# Altium PCB Archimajor.PcbDoc (part 8 of 13)
Units mil, origin at the board's own origin, x right, y up, seen from the top; angles counter-clockwise.
Board outline 7480.32 x 5511.81 mil, 6 copper layers (Top Layer, Top GND, Power Plane, Mid1, Bot GND, Bottom Layer), stack 69.913 mil thick; 1038 components, 682 nets, 3229 pads, 2870 vias.
Unrouted connection lines stored in the file: 97.
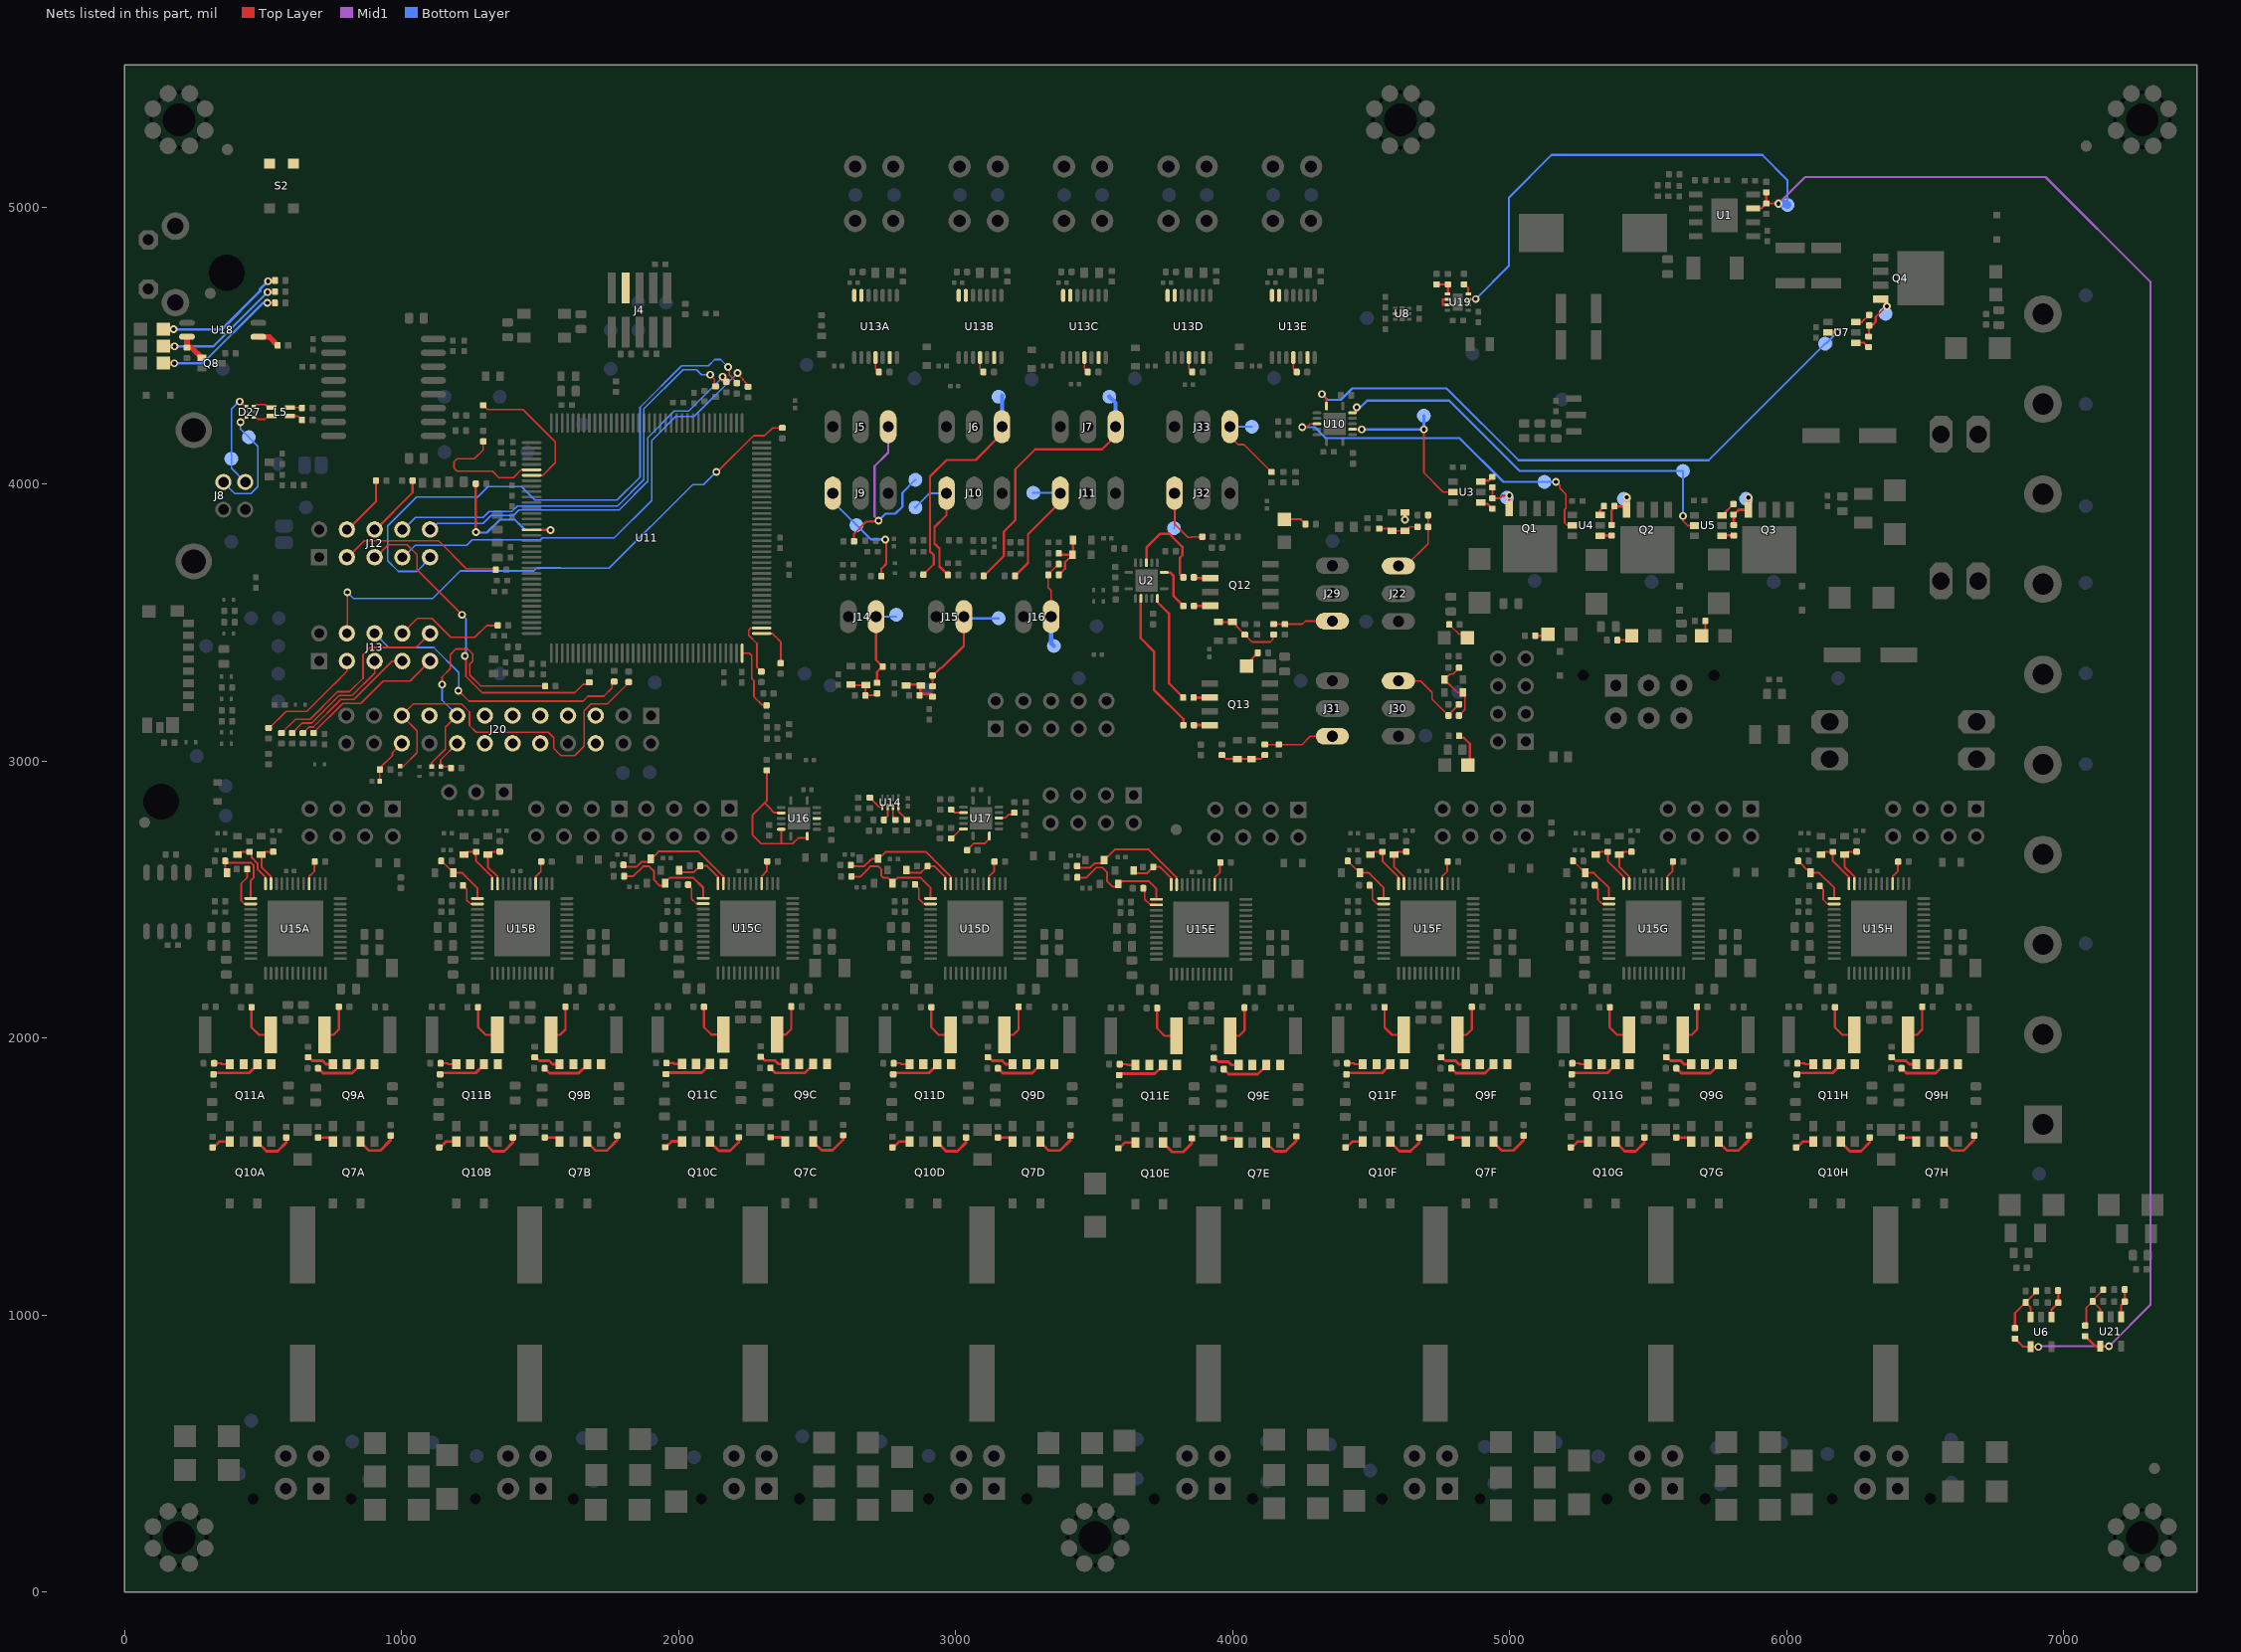
[diagram p12: the nets of this part, all layers, seen from the top]

## Via types
v1: diameter 28, hole 15, Top Layer to Bottom Layer, tented both sides, 2412 vias
v2: diameter 22, hole 10, Top Layer to Bottom Layer, 302 vias
v3: diameter 28, hole 15, Top Layer to Bottom Layer, 113 vias
v4: diameter 29, hole 15, Top Layer to Bottom Layer, tented both sides, 16 vias
v5: diameter 30, hole 15, Top Layer to Bottom Layer, 16 vias
v6: diameter 22, hole 10, Top Layer to Bottom Layer, tented both sides, 11 vias

## Nets (pads, with @x,y where several pads share a name; then routed paths per layer and width w, separated by ;. In a path a pad name is that pad's centre, name@x,y a point inside that pad or via, vN(x,y) a via of type N, cw(c..) or ccw(c..) an arc to the next point about the centre after c; other vN are vias at no path point) (continued)
NetD12A_A: D12A.A R18A.1 U15A.24 | length 185.7
  Top Layer w7: D12A.A@407.97,2661.43 418.6,2672.06 R18A.1@451.28,2672.06 ; R18A.1@451.28,2667.72 456.13,2667.72 459.22,2664.63 459.22,2651 480.53,2629.69 480.53,2609.54 509.15,2580.92 U15A.24@509.15,2556.51
NetD12B_A: D12B.A R18B.1 U15B.24 | length 182.9
  Top Layer w7: D12B.A@1225.88,2661.43 1236.51,2672.06 R18B.1@1269.19,2672.06 ; R18B.1@1269.19,2667.72 1269.19,2638.8 1327.06,2580.92 U15B.24@1327.06,2556.51
NetD12C_A: D12C.A R18C.1 U15C.24 | length 193.1
  Top Layer w7: D12C.A@2001.29,2600.76 2004.25,2597.81 2054.64,2597.81 2069.76,2612.93 2070.28,2612.93 2078.26,2620.92 R18C.1@2078.26,2621.43 2102.78,2621.43 2142.33,2581.88 U15C.24@2142.33,2557.47
NetD12D_A: D12D.A R18D.1 U15D.24 | length 193.1
  Top Layer w7: D12D.A@2821.85,2599.8 2824.8,2596.85 2875.2,2596.85 2890.32,2611.97 2890.83,2611.97 2898.82,2619.96 R18D.1@2898.82,2620.47 2923.34,2620.47 2962.89,2580.92 U15D.24@2962.89,2556.51
NetD12E_A: D12E.A R18E.1 U15E.24 | length 193.1
  Top Layer w7: D12E.A@3637.12,2596.83 3640.07,2593.87 3690.47,2593.87 3705.59,2609 3706.1,2609 3714.09,2616.98 R18E.1@3714.09,2617.5 3738.61,2617.5 3778.16,2577.94 U15E.24@3778.16,2553.53
NetD12F_A: D12F.A R18F.1 U15F.24 | length 182.9
  Top Layer w7: D12F.A@4497.54,2661.43 4508.16,2672.06 R18F.1@4540.84,2672.06 ; R18F.1@4540.84,2667.72 4540.84,2638.8 4598.72,2580.92 U15F.24@4598.72,2556.51
NetD12G_A: D12G.A R18G.1 U15G.24 | length 182.9
  Top Layer w7: D12G.A@5310.54,2661.43 5321.16,2672.06 R18G.1@5353.84,2672.06 ; R18G.1@5353.84,2667.72 5353.84,2638.8 5411.72,2580.92 U15G.24@5411.72,2556.51
NetD12H_A: D12H.A R18H.1 U15H.24 | length 182.9
  Top Layer w7: D12H.A@6123.54,2661.43 6134.16,2672.06 R18H.1@6166.84,2672.06 ; R18H.1@6166.84,2667.72 6166.84,2638.8 6224.72,2580.92 U15H.24@6224.72,2556.51
NetD16_A: D16.A R6.1 | length 48.1
  Top Layer w8: R6.1@5092.44,3452.14 5133.58,3452.14 D16.A@5138.5,3457.06
NetD17_A: D17.A R7.1 | length 58.8
  Top Layer w8: R7.1@5388.7,3436.39 5425.17,3436.39 D17.A@5440.95,3452.17
NetD18_A: D18.A R8.1 | length 58.3
  Top Layer w8: D18.A@5693.62,3452.17 5706.09,3464.63 R8.1@5706.09,3505.29
NetD19A_A: D19A.A R17A.2 U15A.23 | length 167.2
  Top Layer w7: U15A.23@528.83,2556.51 528.83,2582.47 495.53,2615.77 495.53,2659.5 D19A.A@493.6,2661.43 504.23,2672.06 R17A.2@536.91,2672.06
NetD19B_A: D19B.A R17B.2 U15B.23 | length 167.2
  Top Layer w7: U15B.23@1346.75,2556.51 1346.75,2582.47 1311.51,2617.7 D19B.A@1311.51,2661.43 1322.14,2672.06 R17B.2@1354.82,2672.06
NetD19C_A: D19C.A R17C.2 U15C.23 | length 449.1
  Top Layer w7: R17C.2@1803.76,2624.38 1809.66,2618.48 1849.48,2618.48 1866.22,2635.21 1895.54,2635.21 1903.85,2643.52 D19C.A@1903.85,2647.02 ; D19C.A@1902.87,2648.01 1927.96,2673.1 2072.35,2673.1 2162.02,2583.43 U15C.23@2162.02,2557.47
NetD19D_A: D19D.A R17D.2 U15D.23 | length 450.3
  Top Layer w7: R17D.2@2624.31,2623.43 2627.55,2620.19 2670.51,2620.19 2691.2,2640.88 2693.55,2640.88 2699.37,2646.69 2720.28,2646.69 2724.41,2642.56 D19D.A@2724.41,2646.06 ; D19D.A@2723.42,2647.05 2748.52,2672.14 2892.9,2672.14 2982.57,2582.47 U15D.23@2982.57,2556.51
NetD19E_A: D19E.A R17E.2 U15E.23 | length 458.2
  Top Layer w7: R17E.2@3439.59,2620.45 3445.49,2614.54 3485.31,2614.54 3502.04,2631.27 3531.37,2631.27 3539.68,2639.59 D19E.A@3539.68,2643.09 ; D19E.A@3538.7,2644.07 3574.78,2680.16 3697.18,2680.16 3797.85,2579.49 U15E.23@3797.85,2553.53
NetD19F_A: D19F.A R17F.2 U15F.23 | length 167.2
  Top Layer w7: U15F.23@4618.4,2556.51 4618.4,2582.47 4583.16,2617.7 D19F.A@4583.16,2661.43 4593.79,2672.06 R17F.2@4626.47,2672.06
NetD19G_A: D19G.A R17G.2 U15G.23 | length 167.2
  Top Layer w7: U15G.23@5431.4,2556.51 5431.4,2582.47 5396.16,2617.7 D19G.A@5396.16,2661.43 5406.79,2672.06 R17G.2@5439.47,2672.06
NetD19H_A: D19H.A R17H.2 U15H.23 | length 167.2
  Top Layer w7: U15H.23@6244.4,2556.51 6244.4,2582.47 6209.16,2617.7 D19H.A@6209.16,2661.43 6219.79,2672.06 R17H.2@6252.47,2672.06
NetD20A_A: D20A.A R16A.1 U15A.25 | length 275.8
  Top Layer w7: R16A.1@363.58,2639.19 R16A.1@363.58,2632.91 ; D20A.A@369.87,2595.88 363.58,2602.16 R16A.1@363.58,2632.91 ; U15A.25@456,2503.36 456,2568.32 465.53,2577.85 465.53,2623.48 456.22,2632.79 363.7,2632.79 R16A.1@363.58,2632.91
NetD20B_A: D20B.A R16B.1 U15B.25 | length 211.3
  Top Layer w6: R16B.1@1143.7,2639.19 1143.7,2638.95 1152.46,2630.19 1153.47,2630.19 1175.03,2608.63 1178.97,2608.63 1187.78,2599.82 D20B.A@1187.78,2595.88
  Top Layer w7: D20B.A@1187.78,2595.88 1219.58,2595.88 1273.91,2541.55 U15B.25@1273.91,2503.36
NetD20C_A: D20C.A R16C.1 U15C.25 | length 403.6
  Top Layer w7: R16C.1@1812.53,2583.06 1835.96,2583.06 1872.08,2619.18 1894.29,2619.18 1910.65,2602.82 ; 1910.74,2602.73 1910.65,2602.82 ; D20C.A@1952.08,2549.58 1932.4,2549.58 1910.65,2571.33 1910.65,2602.82 ; D20C.A@1952.08,2556.47 D20C.A@1952.08,2558.44 1952.08,2561.45 1968.42,2577.8 2053.9,2577.8 2089.18,2542.51 U15C.25@2089.18,2504.32
NetD20D_A: D20D.A R16D.1 U15D.25 | length 396
  Top Layer w7: R16D.1@2633.09,2582.1 2656.51,2582.1 2678.27,2603.87 2678.27,2604.95 2693.21,2619.89 2720.62,2619.89 2731.53,2608.98 2731.53,2585.83 2738.27,2579.09 2753.63,2579.09 2774.61,2558.11 2774.61,2561.14 2792.24,2578.78 2872.51,2578.78 2909.74,2541.55 U15D.25@2909.74,2503.36
NetD20E_A: D20E.A R16E.1 U15E.25 | length 401.3
  Top Layer w7: R16E.1@3448.36,2579.13 3471.78,2579.13 3507.9,2615.25 3530.12,2615.25 3546.48,2598.89 ; 3546.57,2598.79 3546.48,2598.89 ; D20E.A@3587.91,2545.64 3568.22,2545.64 3546.48,2567.39 3546.48,2598.89 ; D20E.A@3589.88,2543.68 3589.88,2553.98 3601.22,2565.33 3698.25,2565.33 3725.01,2538.57 U15E.25@3725.01,2500.39
NetD20F_A: D20F.A R16F.1 U15F.25 | length 211.3
  Top Layer w6: R16F.1@4415.35,2639.19 4415.35,2638.95 4424.11,2630.19 4424.35,2630.19 4445.91,2608.63 4450.62,2608.63 4459.43,2599.82 D20F.A@4459.43,2595.88
  Top Layer w7: D20F.A@4459.43,2595.88 4491.24,2595.88 4545.57,2541.55 U15F.25@4545.57,2503.36
NetD20G_A: D20G.A R16G.1 U15G.25 | length 209
  Top Layer w6: R16G.1@5228.35,2639.19 5228.35,2638.95 5237.11,2630.19 5238.13,2630.19 D20G.A@5272.43,2595.88
  Top Layer w7: D20G.A@5272.43,2595.88 5304.24,2595.88 5358.57,2541.55 U15G.25@5358.57,2503.36
NetD20H_A: D20H.A R16H.1 U15H.25 | length 211.5
  Top Layer w7: R16H.1@6041.35,2639.19 6041.35,2638.68 6049.34,2630.69 6049.85,2630.69 6072.41,2608.13 6077.12,2608.13 6085.43,2599.82 D20H.A@6085.43,2595.88 6117.24,2595.88 6171.57,2541.55 U15H.25@6171.57,2503.36
NetD23_A: D23.A R33.1 | length 480.8
  Top Layer w10: v1(517.93,4731.86) 540.87,4731.86 R33.1@543.43,4734.43
  Top Layer w20: D23.A@141.01,4558.29 141.26,4558.54 141.68,4558.12 v1(177.64,4558.12)
  Bottom Layer w10: v1(177.64,4558.12) 178.45,4557.3 350.64,4557.3 489.49,4696.14 489.49,4703.6 517.75,4731.86 v1(517.93,4731.86)
NetD24_A: D24.A R34.2 | length 485
  Top Layer w8: v1(516.49,4692.42) 541.05,4692.42 R34.2@543.16,4694.53
  Top Layer w20: D24.A@141.01,4497.29 141.66,4496.64 v1(180.39,4496.64)
  Bottom Layer w8: v1@179.94,4497.17 180.34,4496.76 320.82,4496.76 v1(516.49,4692.42)
NetD25_A: D25.A R36.2 | length 493
  Top Layer w8: D25.A@141.01,4436.29 D25.A@141.49,4435.81 ; v1(515.97,4654.01) 542.6,4654.01 R36.2@543.14,4653.47
  Top Layer w20: D25.A@141.49,4435.81 v1(179.99,4435.81)
  Bottom Layer w8: v1(179.99,4435.81) 282.51,4435.81 500.71,4654.02 v1(515.97,4654.01)
NetD27_1: D27.1 J8.2 TP5.1 | length 356
  Top Layer w6: v1@415.24,4296.58 418.55,4296.58 435.1,4280.02 D27.1@439.71,4280.02
  Bottom Layer w6: v1@414.76,4298.58 386,4269.82 386,4056.74 J8.2@436,4006.74 J8.2@436.21,4006.74
  other v1: 416,4297.34
NetD27_3: D27.3 J8.3 TP6.1 | length 439.2
  Top Layer w6: v1(419,4223.34) 423,4227.34 426.4,4227.34 D27.3@439.71,4240.65
  Bottom Layer w6: J8.3@357,4006.74 398.21,3965.53 457,3965.53 482,3990.53 482,4135.53 TP6.1@449,4168.53 419,4198.53 v1(419,4223.34)
NetD27_4: D27.4 L5.2 | length 71
  Top Layer w6: D27.4@466.82,4240.1 474.76,4240.1 ; 474.58,4239.92 474.76,4240.1 ; L5.2@530.54,4244.59 518.25,4244.59 507.5,4233.84 481.02,4233.84 474.76,4240.1
NetD27_6: D27.6 L5.3 | length 71.5
  Top Layer w6: D27.6@466.27,4280.02 471.08,4280.02 477.89,4286.84 508.48,4286.84 519.24,4276.09 L5.3@530.54,4276.09
NetD28_A: D28.A D29.K R44.2 R50.1 | length 150.7
  Top Layer w8: D28.A@2624.52,3281.19 2632.48,3273.23 D29.K@2668.36,3273.23 ; D29.K@2676.52,3273.23 D29.K@2674.42,3273.23 ; R50.1@2716.52,3243.75 2710,3237.23 2674.42,3237.23 D29.K@2674.42,3273.23 ; D29.K@2668.36,3273.23 2674.42,3279.29 D29.K@2674.42,3273.23 ; D29.K@2668.36,3273.23 D29.K@2674.42,3273.23
NetD36_A: D36.A D37.K R81.2 R87.1 | length 120.2
  Top Layer w8: D36.A@2834.52,3278.53 2836.88,3276.17 2872.79,3276.17 2872.79,3241.41 2909.34,3241.41 R87.1@2916.1,3234.65 ; R87.1@2913.75,3231.56 R87.1@2913.83,3231.49
NetD38_A: D38.A D39.K R91.2 R92.1 | length 199
  Top Layer w8: R92.1@3372.52,3671.5 3395.32,3694.31 3395.32,3717.14 D39.K@3422.52,3744.34 ; R91.2@3372.62,3749.26 3377.54,3744.34 D39.K@3422.52,3744.34 ; D38.A@3423.5,3797.49 3423.5,3745.32 D39.K@3422.52,3744.34
NetD50_A: D50.A D52.K R174.2 R175.1 | length 251.9
  Top Layer w6: D50.A@3948.54,3501.35 D52.K@3999.72,3501.35 4003.66,3501.35 4012.47,3492.54 4012.47,3487.18 4035.01,3464.64 4035.01,3464.39 4043.77,3455.64 R174.2@4044.01,3455.64 4044.25,3455.64 4053.01,3446.88 4053.01,3446.64 4070.14,3429.5 4135.55,3429.5 4145.44,3439.4 4145.44,3452.98 R175.1@4148.34,3455.88
NetD51_A: D51.A D53.K R176.2 R177.1 | length 149.7
  Top Layer w6: R176.2@4529.25,3838.65 4566.95,3838.65 D51.A@4575.51,3830.09 D53.K@4621.77,3830.09 4625.7,3830.09 4634.51,3838.9 4634.51,3841.34 4638.03,3844.86 R177.1@4667.83,3844.86
NetD53_A: D53.A | length 26.6
  Top Layer w10: v1(4621.77,3870.45) D53.A@4621.77,3897.02
NetD54_A: D54.A D56.K R186.2 R187.1 | length 166.8
  Top Layer w6: R186.2@3961.44,3021.26 3961.68,3021.26 3970.44,3012.51 3970.44,3012.26 3975.44,3007.26 D56.K@4016.86,3007.26 D54.A@4068.14,3007.26 4102.18,3007.26 4108.14,3013.22 4108.14,3013.46 4116.03,3021.36 R187.1@4116.27,3021.36
NetD55_A: D55.A D57.K R188.2 R189.1 | length 257.9
  Top Layer w6: R189.1@4817,3163.76 4817,3164 4825.75,3172.76 4826,3172.76 4839,3185.76 4839,3239.83 D55.A@4831.41,3247.42 4810.74,3247.42 4777.23,3280.93 4773.29,3280.93 4764.48,3289.74 D57.K@4764.48,3293.68 4764.48,3297.61 4773.29,3306.42 4777.23,3306.42 4784.79,3313.98 4795.09,3313.98 4817.09,3335.98 R188.2@4817.09,3336.98
NetJ4_7: J4.7
NetJ5_1: J5.1 R19.2 TP25.1 | length 738.3
  Top Layer w8: R19.2@2629.88,3788.69 R19.2@2633.88,3792.69 2633.58,3792.99 2633.58,3820.03 2677.07,3863.53 2690.14,3863.53 2690.2,3863.58 2691.34,3863.58 2692.63,3864.87 2719.42,3864.87 v3(2722.1,3867.55)
  Mid1 w8: v3(2722.1,3867.55) 2722.1,3868.05 2707.92,3882.23 2707.92,4063.87 2757,4112.95 J5.1@2757,4206.53
  Bottom Layer w8: v3(2722.1,3867.55) 2722.1,3875.7 2726.18,3871.62 2746.68,3892.13 2782.48,3892.13 2808.07,3917.72 2808.07,3968.08 TP25.1@2855,4015.01 ; J5.1@2756.89,4206.64 J5.1@2757,4206.53
NetJ6_1: J6.1 R72.2 TP80.1 | length 836.5
  Top Layer w8: R72.2@2883.76,3672.67 2920.98,3709.89 2920.98,3713.95 2920.98,3743.48 2908.05,3756.41 2908.05,4027.12 2967.7,4086.76 3073.02,4086.76 3167.5,4181.25 J6.1@3167.5,4206.53
  Bottom Layer w15: J6.1@3167.5,4206.53 3168.31,4207.33 TP80.1@3168.31,4318.94
NetJ7_1: J7.1 R76.2 TP130.1 | length 994.5
  Top Layer w8: R76.2@3103.21,3668.98 3140.39,3706.16 3174.49,3740.25 3174.49,3828 3215.83,3869.34 ; 3216.32,3869.83 3215.83,3869.34 ; J7.1@3578,4206.53 3578,4173.87 3529.1,4124.97 3287.4,4124.97 3215.83,4053.39 3215.83,3869.34
  Bottom Layer w15: TP130.1@3555,4315.01 3577.76,4292.25 3577.76,4206.77 J7.1@3578,4206.53
NetJ9_1: J9.1 R23.2 TP67.1 | length 416.4
  Top Layer w8: R23.2@2737.18,3669.8 2732.3,3674.68 2732.3,3693.77 2750.07,3711.54 2750.07,3789.87 2745.72,3794.22 v3(2745.72,3799.63)
  Bottom Layer w8: J9.1@2557,3966.53 2557,3936.53 2693.9,3799.63 v3(2745.72,3799.63)
NetJ10_1: J10.1 R74.2 TP81.1 | length 466.9
  Top Layer w8: J10.1@2967.5,3966.53 2967.5,3887.84 2924.05,3844.39 2924.05,3784.79 2941.65,3767.19 2941.65,3754.31 2941.65,3702.27 R74.2@2972.42,3671.5
  Bottom Layer w8: TP81.1@2855,3915.01 2906.52,3966.53 J10.1@2967.5,3966.53
NetJ11_1: J11.1 R79.2 TP131.1 | length 464.3
  Top Layer w8: R79.2@3214.42,3668.01 3252.09,3705.68 3261.1,3714.69 3261.1,3806.11 3261.4,3806.4 3261.4,3818.45 3378,3935.06 J11.1@3378,3966.53
  Bottom Layer w8: TP131.1@3280.51,3967.91 3376.61,3967.91 J11.1@3377.95,3966.57
  Bottom Layer w15: J11.1@3377.95,3966.57 J11.1@3378,3966.53
NetJ12_3: J12.3 R137.1 | length 604.6
  Top Layer w6: J12.3@803,3731.53 866.01,3794.54 1133.99,3794.54 1234,3694.53 R137.1@1340.1,3694.53
NetJ12_4: J12.4 R136.2 | length 223.5
  Top Layer w8: J12.4@803,3831.53 908,3936.53 R136.2@908,4011.53
NetJ12_5: J12.5 R135.1 | length 1189.7
  Top Layer w6: J12.5@903,3731.53 952.01,3780.54 1020.47,3780.54 1055.52,3745.49 1055.52,3691.01 v1(1219,3527.53) ; v1@1232.71,3376.62 1232.71,3304.22 1260.4,3276.53 1290.87,3246.06 1625.19,3246.06 1655.66,3276.53 ; 1658.35,3276.53 1655.66,3276.53 ; R135.1@1678.03,3283.71 1670.85,3276.53 1655.66,3276.53
  Bottom Layer w6: v1(1219,3527.53) 1232.76,3513.77 1232.71,3513.72 v1@1232.71,3376.62
  other v1: 1228.71,3378.62
NetJ12_6: J12.6 R134.2 | length 236.7
  Top Layer w8: J12.6@903,3831.53 1040,3968.53 R134.2@1040,4011.53
NetJ12_7: J12.7 R133.1 | length 1675.3
  Top Layer w6: v1@2213,4396.89 2233,4376.89 2233,4375.17 2244,4364.17 2251,4357.17 R133.1@2251,4350.91
  Bottom Layer w6: J12.7@1003,3731.53 1049.48,3778.01 1235,3778.01 1255.52,3798.53 1501.52,3798.53 1508,3805.01 1768,3805.01 1903,3940.01 1903,4156.34 1989.67,4243.01 2056,4243.01 v1@2213,4400.01
  other v1: 2213,4401.01
NetJ12_8: J12.8 R120.2 | length 1571.8
  Top Layer w6: v1(2114,4394.01) 2114,4397.53 2111.74,4395.27 2130,4377.01 2130,4349.53 R120.2@2132,4347.53
  Bottom Layer w6: J12.8@1003,3831.53 1050.48,3879.01 1295,3879.01 1316.63,3900.64 1398.31,3900.64 1418.2,3920.53 1780.2,3920.53 1875,4015.33 1875,4271.01 2016.29,4412.3 2064.92,4412.3 2083.21,4394.01 v1(2114,4394.01)
NetJ12_9: J12.9 R114.1 | length 2077.6
  Top Layer w6: v1(2179,4422.01) 2184,4417.01 2184,4392.65 2186.64,4390.01 2186.98,4390.01 ; 2187.31,4390.68 2196,4381.99 2196,4380.65 2210.32,4366.33 2209,4365.01 2213,4361.01 2210.71,4358.72 R114.1@2206,4363.43
  Bottom Layer w6: J12.9@1103,3731.53 1055.48,3684.01 989,3684.01 950,3723.01 950,3848.01 1054.52,3952.53 1274.52,3952.53 1312.52,3990.53 1433.48,3990.53 1482,3942.01 1778,3942.01 1861,4025.01 1861,4276.81 2010.74,4426.55 2108.19,4426.55 2130.64,4449.01 2131.43,4449.01 2131.61,4449.19 2151.82,4449.19 v1(2179,4422.01)
NetJ12_10: J12.10 R109.2 | length 1407.5
  Top Layer w18: v1(2159,4387.01) 2159,4379.01 R109.2@2173,4365.01
  Bottom Layer w6: J12.10@1103,3831.53 1129.48,3858.01 1294.76,3858.01 1323.39,3886.64 1404.11,3886.64 1424,3906.53 1786,3906.53 1889,4009.53 1889,4167.34 1984.67,4263.01 2037,4263.01 2159,4385.01 v1(2159,4387.01)
NetJ13_3: J13.3 R145.1 | length 403.3
  Top Layer w6: R145.1@522,3117.53 583.48,3179.01 658.4,3179.01 757.4,3278.01 757.48,3278.01 803,3323.53 J13.3@803,3360.53
NetJ13_4: J13.4 R144.2 | length 1983.7
  Top Layer w6: J13.4@803,3460.53 805,3462.53 v1(805,3608.53) ; v1(2136.44,4043.68) 2140.14,4043.68 2270.99,4174.53 2311.37,4174.53 2339.29,4202.44 R144.2@2374.72,4202.44
  Bottom Layer w6: v1(805,3608.53) 827,3586.53 1112.52,3586.53 1212,3686.01 1478,3686.01 1488.66,3696.67 1573.74,3696.67 1574.89,3695.53 1749.27,3695.53 2051.54,3997.81 2090.57,3997.81 v1(2136.44,4043.68)
NetJ13_5: J13.5 R143.1 | length 430.4
  Top Layer w6: R143.1@605.67,3100.43 641.77,3136.53 675.52,3136.53 775,3236.01 821.68,3236.01 903,3317.33 J13.5@903,3360.53
NetJ13_6: J13.6 R142.2 | length 1041.5
  Top Layer w6: v1@1205,3254.53 1243.58,3215.94 1655.12,3215.94 1672.88,3233.71 1730.2,3233.71 1760,3263.51 R142.2@1760,3286.53
  Bottom Layer w6: J13.6@903,3460.53 954,3409.53 1116,3409.53 1207.16,3318.36 1207.16,3256.69 v1@1205,3254.53
  other v1: 1205,3253.53
NetJ13_7: J13.7 R141.1 | length 466.4
  Top Layer w6: R141.1@644.33,3100.43 666.43,3122.53 681.52,3122.53 781,3222.01 827.48,3222.01 966,3360.53 J13.7@1003,3360.53
NetJ13_8: J13.8 R140.2 | length 413.4
  Top Layer w6: J13.8@1003,3460.53 1057,3514.53 1110,3514.53 1178.52,3446.01 1264.54,3446.01 1307.06,3488.53 R140.2@1348,3488.53
NetJ13_9: J13.9 R139.1 | length 535.1
  Top Layer w6: R139.1@688.9,3100.43 R139.1@683,3100.43 683,3102.84 788.17,3208.01 853.48,3208.01 934,3288.53 1031,3288.53 J13.9@1103,3360.53
NetJ13_10: J13.10 R138.2 | length 734.9
  Top Layer w6: R138.2@567,3100.53 617,3150.53 669.52,3150.53 769,3250.01 812.48,3250.01 861,3298.53 861,3383.53 887,3409.53 1052,3409.53 J13.10@1103,3460.53
NetJ14_2: J14.2 R50.2 R62.1 TP106.1 | length 316
  Top Layer w8: J14.2@2713,3506.75 2713,3364.65 2736.16,3341.49 2716.52,3321.85 R50.2@2716.52,3281.65
  Bottom Layer w8: J14.2@2713,3520.53 TP106.1@2786.14,3520.53
NetJ15_2: J15.2 R80.1 R87.2 TP107.1 | length 427.5
  Top Layer w8: R87.2@2913.83,3269.39 2916.83,3272.39 2916.83,3301.64 R80.1@2922.52,3307.33 ; R80.1@2916.61,3308.12 2922.52,3308.12 2922.52,3312.09 2946.02,3335.59 2950.45,3335.59 3030,3415.14 J15.2@3030,3520.53
  Bottom Layer w8: J15.2@3034.48,3515.01 TP107.1@3155,3515.01
NetJ16_2: J16.2 R90.1 R92.2 TP108.1 | length 319.9
  Top Layer w6: J16.2@3345,3520.53 3345,3615.17 3334.62,3625.54 R92.2@3334.62,3671.5 3334.62,3673.17 R90.1@3372.32,3710.87
  Bottom Layer w15: J16.2@3345,3520.53 3345,3425.01 TP108.1@3355,3415.01
NetJ20_5: J20.5
NetJ20_6: J20.6
NetJ20_7: J20.7
NetJ20_9: J20.9
NetJ20_10: J20.10
NetJ20_11: J20.11
NetJ20_12: J20.12
NetJ20_13: J20.13
NetJ20_14: J20.14
NetJ20_15: J20.15 R161.1 RV3.1 | length 943.7
  Top Layer w6: RV3.1@1109.13,2979.77 1109.27,2979.91 1109.27,2993.53 1158.53,3042.78 1158.53,3121.06 J20.15@1201,3163.53 ; v3(1147,3275.53) 1147,3303.93 1175.8,3332.73 1175.8,3384.04 1195.77,3404.01 1239.26,3404.01 1256.97,3386.3 1256.97,3359.89 1246.71,3349.63 1246.71,3310.01 1286.6,3270.13 R161.1@1518.39,3270.13
  Bottom Layer w6: v3(1147,3275.53) 1147,3219.3 J20.15@1202.34,3163.96 ; J20.15@1201.95,3163.57 J20.15@1202.34,3163.96 ; J20.15@1202.97,3163.33 J20.15@1202.34,3163.96
NetJ20_16: J20.16 R160.2 RV4.1 | length 147.7
  Top Layer w6: R160.2@1178.81,2975.06 1178.57,2975.06 1173.87,2979.77 RV4.1@1141.61,2979.77 1141.61,3004.14 J20.16@1201,3063.53 ; R160.2@1186.71,2966.93 R160.2@1186.71,2967.17
NetJ20_17: J20.17
NetJ20_19: J20.19 R159.1 RV2.1 | length 1387.1
  Top Layer w6: RV2.1@994.96,2980.76 1006.77,2980.76 1055.53,3029.51 1055.53,3109 J20.19@1001,3163.53 1042.83,3205.36 1216.87,3205.36 1245.72,3176.51 1245.72,3128 1269.67,3104.06 1529.44,3104.06 1550.13,3083.37 1550.13,3045.32 1575.95,3019.49 1625.69,3019.49 1659.33,3053.13 1659.33,3180.56 1684.13,3205.36 1742.83,3205.36 1819.76,3282.29 R159.1@1819.76,3284.69
NetJ20_20: J20.20 R153.2 RV1.1 | length 191.2
  Top Layer w6: RV1.1@921.14,2928.59 921.83,2929.28 R153.2@921.83,2968.95 921.83,2973.68 967.4,3019.26 967.4,3029.93 J20.20@991.1,3053.63 ; J20.20@987,3063.53 987,3057.73 J20.20@991.1,3053.63 ; J20.20@1001,3049.51 995.22,3049.51 J20.20@991.1,3053.63 ; J20.20@1001,3063.53 J20.20@991.1,3053.63
NetJ22_3: J22.3 R173.1 R177.2 | length 243.7
  Top Layer w6: J22.3@4598.42,3703.74 4625.33,3703.74 4705.73,3784.13 R177.2@4705.73,3844.86 4705.73,3887.08 R173.1@4705.63,3887.18
NetJ29_3: J29.3 R172.1 R175.2 | length 216.5
  Top Layer w6: R175.2@4148.34,3493.78 4188.59,3493.78 R172.1@4188.7,3493.68 4251.89,3493.68 4262.93,3504.72 J29.3@4360.24,3504.72
NetJ30_3: J30.3 R185.1 R189.2 | length 303.4
  Top Layer w6: J30.3@4598.42,3288.98 4678.63,3288.98 4720.19,3247.42 4720.19,3222.66 4770.1,3172.76 4770.34,3172.76 4779.1,3164 R189.2@4779.1,3163.76 4786.23,3170.89 4786.23,3173.35 4808,3195.11 4808.24,3195.11 4817,3203.87 R185.1@4817,3204.11